# KiCad board WLED Matrix.kicad_pcb (continued)
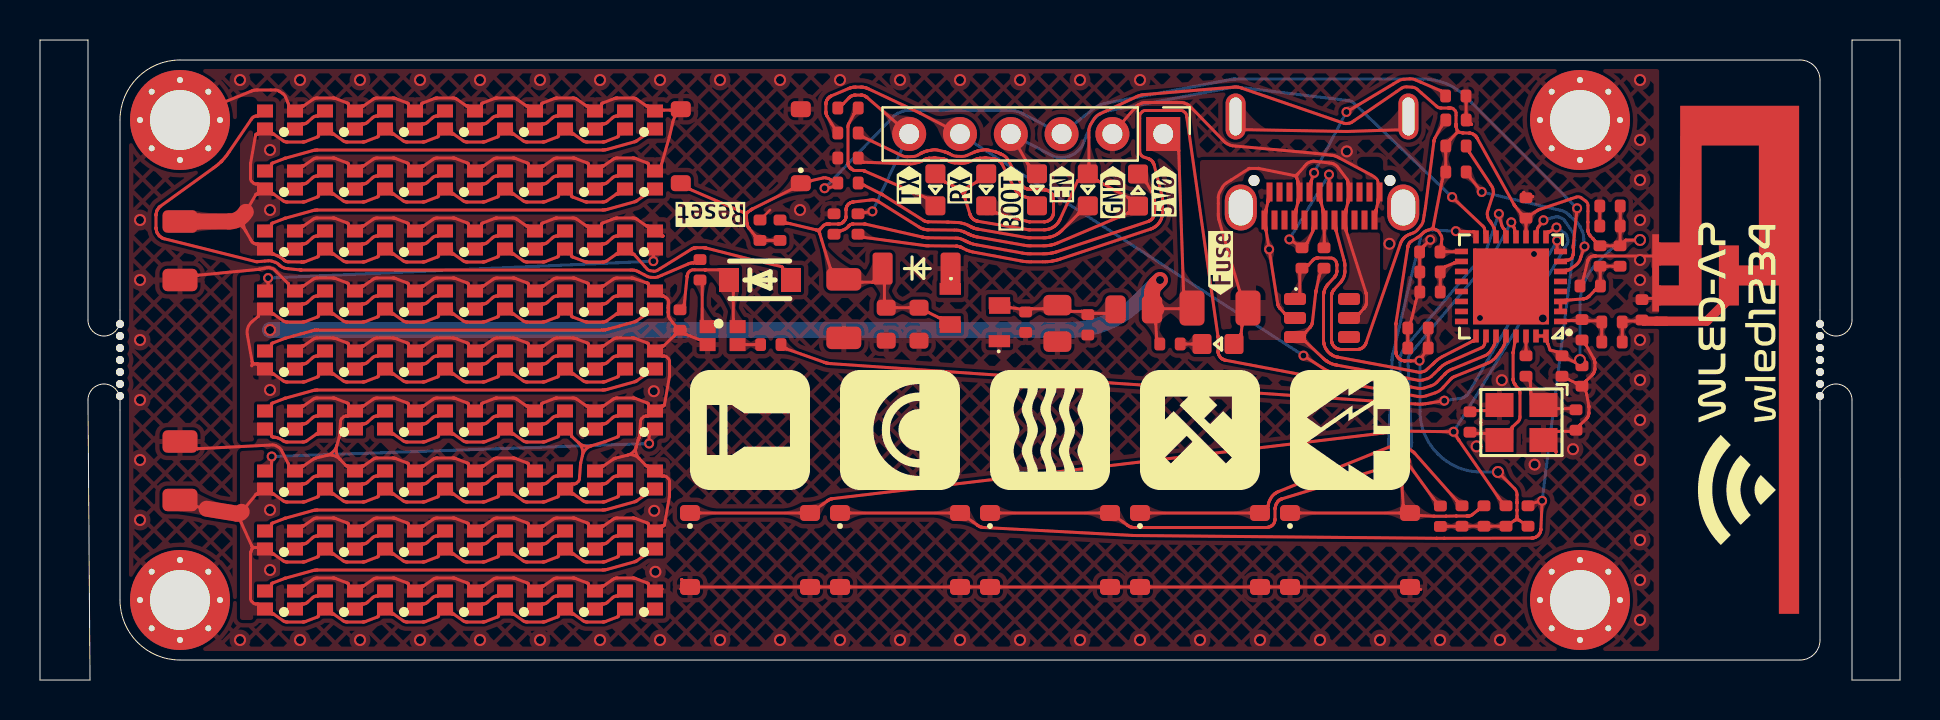
[diagram p0: board, top side]
## Routing (per net, layer and track width the routed paths; a pad name or vN(x,y) marks a point on that pad's centre or on a via; arc(x,y) is an arc through that point) (continued)
 31.42,18.78 31.42,18.78 arc(31.42,18.78) 31.42,18.77 arc(31.42,18.77) 31.42,18.76 31.42,18.75 arc(31.42,18.75) 31.42,18.74 31.42,18.74 arc(31.42,18.74) 31.42,18.73 31.42,18.73 arc(31.42,18.73) 31.42,18.73 arc(31.42,18.73) 31.42,18.73 31.42,18.72 arc(31.42,18.72) 31.42,18.72 31.42,18.66 arc(31.42,18.66) 31.42,18.66 arc(31.42,18.66) 31.41,18.65 31.41,18.65 arc(31.41,18.64) 31.41,18.64 31.42,18.62 arc(31.42,18.61) 31.42,18.61 arc(31.42,18.6) 31.42,18.6 31.41,18.58 arc(31.41,18.58) 31.41,18.57 arc(31.41,18.57) 31.41,18.57 31.41,18.45 arc(31.41,18.45) 31.41,18.45 arc(31.41,18.44) 31.41,18.44 31.42,18.42 arc(31.42,18.42) 31.42,18.41 arc(31.42,18.41) 31.42,18.4 31.41,18.38 arc(31.41,18.38) 31.41,18.38 arc(31.41,18.37) 31.41,18.37 31.42,18.36 arc(31.42,18.36) 31.42,18.36 arc(31.42,18.36) 31.42,18.35 31.43,18.22 arc(31.43,18.2) 31.44,18.17 31.45,18.13 arc(31.46,18.11) 31.47,18.09 31.63,17.88 arc(31.75,17.74) 31.87,17.61 ; 14.84,11.72 14.96,12.14 arc(14.97,12.15) 14.97,12.16 14.97,12.18 arc(14.97,12.18) 14.97,12.19 15.03,12.96 arc(15.05,13.02) 15.08,13.07 15.18,13.16 arc(15.23,13.19) 15.29,13.2 15.39,13.2 arc(15.42,13.21) 15.45,13.22 15.59,13.32 ; 66.94,24.2 66.91,24.04 arc(66.9,24) 66.9,23.96 66.9,23.92 arc(66.9,23.91) 66.9,23.9 66.9,23.88 arc(66.9,23.87) 66.89,23.87 arc(66.89,23.86) 66.89,23.85 66.8,23.49 arc(66.8,23.49) 66.8,23.49 arc(66.8,23.49) 66.8,23.49 66.8,23.48 arc(66.8,23.48) 66.8,23.48 66.8,23.44 arc(66.8,23.4) 66.79,23.36 J2.A1 ; 15.91,13.58 16.05,13.68 arc(16.08,13.69) 16.11,13.7 16.16,13.7 arc(16.16,13.7) 16.17,13.7 16.18,13.71 arc(16.18,13.71) 16.19,13.71 arc(16.19,13.71) 16.2,13.72 16.64,14.03 16.68,14.06 arc(16.71,14.07) 16.73,14.08 16.78,14.09 arc(16.8,14.1) 16.82,14.1 17.66,14.1 arc(17.68,14.1) 17.69,14.1 17.72,14.09 arc(17.74,14.09) 17.75,14.08 18.37,13.85 arc(18.38,13.85) 18.39,13.84 arc(18.4,13.84) 18.41,13.83 18.42,13.81 arc(18.42,13.8) 18.43,13.79 18.43,13.74 arc(18.43,13.7) 18.45,13.68 18.59,13.57 arc(18.75,13.52) 18.91,13.58 19.05,13.68 arc(19.08,13.69) 19.11,13.7 19.16,13.7 arc(19.16,13.7) 19.17,13.7 19.18,13.71 arc(19.18,13.71) 19.19,13.71 arc(19.19,13.71) 19.2,13.72 19.64,14.03 19.68,14.06 arc(19.71,14.07) 19.73,14.08 19.78,14.09 arc(19.8,14.1) 19.82,14.1 20.66,14.1 arc(20.68,14.1) 20.69,14.1 20.72,14.09 arc(20.74,14.09) 20.75,14.08 21.37,13.85 arc(21.38,13.85) 21.39,13.84 arc(21.4,13.84) 21.41,13.83 21.42,13.81 arc(21.42,13.8) 21.43,13.79 21.43,13.74 arc(21.43,13.7) 21.45,13.68 21.59,13.57 arc(21.75,13.52) 21.91,13.57 22.05,13.68 arc(22.07,13.7) 22.08,13.74 22.08,13.79 arc(22.08,13.8) 22.08,13.81 22.09,13.83 arc(22.1,13.84) 22.11,13.84 22.13,13.85 22.75,14.08 arc(22.76,14.09) 22.78,14.09 22.81,14.1 arc(22.82,14.1) 22.84,14.1 23.67,14.1 arc(23.7,14.1) 23.72,14.09 23.77,14.08 arc(23.79,14.07) 23.82,14.06 24.3,13.72 arc(24.31,13.71) 24.31,13.71 arc(24.32,13.71) 24.32,13.71 24.33,13.7 arc(24.34,13.7) 24.34,13.7 24.39,13.7 arc(24.42,13.69) 24.45,13.68 24.59,13.57 arc(24.75,13.52) 24.91,13.58 25.05,13.68 arc(25.07,13.7) 25.08,13.74 25.08,13.79 arc(25.08,13.8) 25.08,13.81 25.09,13.83 arc(25.1,13.84) 25.11,13.84 25.13,13.85 25.75,14.08 arc(25.76,14.09) 25.78,14.09 25.81,14.1 arc(25.82,14.1) 25.84,14.1 26.67,14.1 arc(26.7,14.1) 26.72,14.09 26.77,14.08 arc(26.79,14.07) 26.82,14.06 27.3,13.72 arc(27.31,13.71) 27.31,13.71 arc(27.32,13.71) 27.32,13.71 27.33,13.7 arc(27.34,13.7) 27.34,13.7 27.39,13.7 arc(27.42,13.69) 27.45,13.68 27.59,13.57 arc(27.75,13.52) 27.91,13.58 28.05,13.68 arc(28.08,13.69) 28.11,13.7 28.16,13.7 arc(28.16,13.7) 28.17,13.7 28.18,13.71 arc(28.18,13.71) 28.19,13.71 arc(28.19,13.71) 28.2,13.72 28.64,14.03 28.68,14.06 arc(28.71,14.07) 28.73,14.08 28.78,14.09 arc(28.8,14.1) 28.82,14.1 29.66,14.1 arc(29.68,14.1) 29.69,14.1 29.72,14.09 arc(29.74,14.09) 29.75,14.08 30.37,13.85 arc(30.38,13.85) 30.39,13.84 arc(30.4,13.84) 30.41,13.83 30.42,13.81 arc(30.42,13.8) 30.43,13.79 30.43,13.74 arc(30.43,13.7) 30.45,13.68 30.59,13.57 ; 15.91,13.58 15.59,13.32 ; 30.59,7.57 30.45,7.68 arc(30.43,7.7) 30.43,7.74 30.43,7.79 arc(30.42,7.8) 30.42,7.81 30.41,7.83 arc(30.4,7.84) 30.39,7.84 arc(30.38,7.85) 30.37,7.85 29.75,8.08 arc(29.74,8.09) 29.72,8.09 29.69,8.1 arc(29.68,8.1) 29.66,8.1 28.82,8.1 arc(28.8,8.1) 28.78,8.09 28.73,8.08 arc(28.71,8.07) 28.68,8.06 28.64,8.03 28.2,7.72 arc(28.19,7.71) 28.19,7.71 arc(28.18,7.71) 28.18,7.71 28.17,7.7 arc(28.16,7.7) 28.16,7.7 28.11,7.7 arc(28.08,7.69) 28.05,7.68 27.91,7.58 arc(27.75,7.52) 27.59,7.57 27.45,7.68 arc(27.43,7.7) 27.43,7.74 27.43,7.79 arc(27.42,7.8) 27.42,7.81 27.41,7.83 arc(27.4,7.84) 27.39,7.84 arc(27.38,7.85) 27.37,7.85 26.75,8.08 arc(26.74,8.09) 26.72,8.09 26.69,8.1 arc(26.68,8.1) 26.66,8.1 25.82,8.1 arc(25.8,8.1) 25.78,8.09 25.73,8.08 arc(25.71,8.07) 25.68,8.06 25.64,8.03 25.2,7.72 arc(25.19,7.71) 25.19,7.71 arc(25.18,7.71) 25.18,7.71 25.17,7.7 arc(25.16,7.7) 25.16,7.7 25.11,7.7 arc(25.08,7.69) 25.05,7.68 24.91,7.57 arc(24.75,7.52) 24.59,7.57 24.45,7.68 arc(24.43,7.7) 24.43,7.74 24.43,7.79 arc(24.42,7.8) 24.42,7.81 24.41,7.83 arc(24.4,7.84) 24.39,7.84 arc(24.38,7.85) 24.37,7.85 23.75,8.08 arc(23.74,8.09) 23.72,8.09 23.69,8.1 arc(23.68,8.1) 23.66,8.1 22.82,8.1 arc(22.8,8.1) 22.78,8.09 22.73,8.08 arc(22.71,8.07) 22.68,8.06 22.64,8.03 22.2,7.72 arc(22.19,7.71) 22.19,7.71 arc(22.18,7.71) 22.18,7.71 22.17,7.7 arc(22.16,7.7) 22.16,7.7 22.11,7.7 arc(22.08,7.69) 22.05,7.68 21.91,7.57 arc(21.75,7.52) 21.59,7.57 21.45,7.68 arc(21.43,7.7) 21.43,7.74 21.43,7.79 arc(21.42,7.8) 21.42,7.81 21.41,7.83 arc(21.4,7.84) 21.39,7.84 arc(21.38,7.85) 21.37,7.85 20.75,8.08 arc(20.74,8.09) 20.72,8.09 20.69,8.1 arc(20.68,8.1) 20.66,8.1 19.82,8.1 arc(19.8,8.1) 19.78,8.09 19.73,8.08 arc(19.71,8.07) 19.68,8.06 19.64,8.03 19.2,7.72 arc(19.19,7.71) 19.19,7.71 arc(19.18,7.71) 19.18,7.71 19.17,7.7 arc(19.16,7.7) 19.16,7.7 19.11,7.7 arc(19.08,7.69) 19.05,7.68 18.91,7.57 arc(18.75,7.52) 18.59,7.57 18.45,7.68 arc(18.43,7.7) 18.43,7.74 18.43,7.79 arc(18.42,7.8) 18.42,7.81 18.41,7.83 arc(18.4,7.84) 18.39,7.84 arc(18.38,7.85) 18.37,7.85 17.75,8.08 arc(17.74,8.09) 17.72,8.09 17.69,8.1 arc(17.68,8.1) 17.66,8.1 16.82,8.1 arc(16.8,8.1) 16.78,8.09 16.73,8.08 arc(16.71,8.07) 16.68,8.06 16.64,8.03 16.2,7.72 arc(16.19,7.71) 16.19,7.71 arc(16.18,7.71) 16.18,7.71 16.17,7.7 arc(16.16,7.7) 16.16,7.7 16.11,7.7 arc(16.08,7.69) 16.05,7.68 15.91,7.57 arc(15.75,7.52) 15.59,7.57 15.45,7.68 arc(15.43,7.7) 15.43,7.74 15.43,7.79 arc(15.42,7.8) 15.42,7.81 15.41,7.83 arc(15.4,7.84) 15.39,7.84 arc(15.38,7.85) 15.37,7.85 14.75,8.08 arc(14.74,8.09) 14.72,8.09 14.69,8.1 arc(14.68,8.1) 14.66,8.1 13.82,8.1 arc(13.8,8.1) 13.78,8.09 13.73,8.08 arc(13.71,8.07) 13.68,8.06 13.64,8.03 13.2,7.72 arc(13.19,7.71) 13.19,7.71 arc(13.18,7.71) 13.18,7.71 13.17,7.7 arc(13.16,7.7) 13.16,7.7 13.11,7.7 arc(13.08,7.69) 13.05,7.68 RGB51.3 ; 7,4 6.49,5.86 arc(6.49,5.86) 6.49,5.87 6.49,5.87 ; 30.91,16.33 30.59,16.57 ; 30.91,16.33 arc(30.85,16.45) 30.91,16.58 ; 74.19,24.38 74.19,24.34 arc(74.19,24.31) 74.21,24.27 74.25,24.21 arc(74.32,24.14) 74.41,24.14 74.51,24.16 arc(74.55,24.17) 74.58,24.17 74.62,24.17 arc(74.62,24.17) 74.62,24.17 74.63,24.17 arc(74.63,24.17) 74.63,24.17 arc(74.63,24.17) 74.63,24.17 ; R14.2 71.3,28.99 arc(71.3,28.95) 71.31,28.92 71.31,28.28 arc(71.31,28.25) 71.31,28.21 71.31,28.12 arc(71.33,28.01) 71.41,27.92 71.57,27.79 arc(71.58,27.79) 71.58,27.79 arc(71.58,27.79) 71.58,27.79 71.58,27.79 ; C5.2 77.31,16.74 arc(77.31,16.73) 77.31,16.73 arc(77.31,16.73) 77.31,16.73 77.31,16.73 arc(77.31,16.73) 77.32,16.72 77.7,16.05 arc(77.71,16.03) 77.71,16.02 77.72,16 arc(77.72,15.99) 77.73,15.97 77.74,15.9 arc(77.74,15.89) 77.74,15.88 77.74,15.87 arc(77.75,15.86) 77.75,15.85 77.75,15.57 arc(77.75,15.56) 77.74,15.55 77.74,15.54 arc(77.74,15.53) 77.74,15.52 77.73,15.44 arc(77.72,15.43) 77.72,15.41 77.7,15.38 arc(77.7,15.37) 77.69,15.36 77.66,15.31 arc(77.65,15.3) 77.65,15.29 arc(77.64,15.28) 77.64,15.28 77.62,15.26 arc(77.62,15.26) 77.61,15.25 77.32,14.98 arc(77.32,14.97) 77.32,14.97 77.32,14.97 arc(77.32,14.97) 77.32,14.97 arc(77.32,14.97) 77.32,14.97 arc(77.31,14.96) 77.31,14.96 77.31,14.96 arc(77.31,14.96) 77.31,14.96 77.31,14.96 arc(77.31,14.96) 77.31,14.96 77.21,14.82 ; C58.2 76.41,15.03 arc(76.42,15.03) 76.42,15.03 arc(76.42,15.03) 76.42,15.03 76.42,15.03 arc(76.42,15.03) 76.42,15.03 76.78,14.85 arc(76.78,14.85) 76.78,14.85 76.78,14.85 arc(76.78,14.85) 76.79,14.85 76.95,14.77 ; 76.95,14.77 arc(77.09,14.68) 77.21,14.56 ; 76.95,14.77 arc(77.09,14.75) 77.21,14.82 ; RGB1.3 33.08,17 arc(33.05,17.01) 33.02,17.02 32.98,17.02 arc(32.97,17.02) 32.97,17.02 32.96,17.02 arc(32.96,17.02) 32.96,17.02 arc(32.95,17.03) 32.95,17.03 32.3,17.28 arc(32.3,17.28) 32.3,17.28 arc(32.3,17.28) 32.3,17.28 arc(32.3,17.28) 32.29,17.28 32.15,17.39 ; 75.32,27.04 75.32,27.04 arc(75.33,27.04) 75.33,27.04 77,28 ; 32.71,4.65 32.93,4.65 ; 32.71,4.65 arc(32.5,4.64) 32.29,4.6 ; 32.71,4.65 arc(32.51,4.69) 32.34,4.79 ; 29.81,11.65 arc(29.8,11.35) 29.95,11.08 ; 29.81,11.65 arc(29.65,11.39) 29.38,11.24 ; RGB30.3 13.05,16.68 arc(13.08,16.69) 13.11,16.7 13.16,16.7 arc(13.16,16.7) 13.17,16.7 13.18,16.71 arc(13.18,16.71) 13.19,16.71 arc(13.19,16.71) 13.2,16.72 13.64,17.03 13.68,17.06 arc(13.71,17.07) 13.73,17.08 13.78,17.09 arc(13.8,17.1) 13.82,17.1 14.66,17.1 arc(14.68,17.1) 14.69,17.1 14.72,17.09 arc(14.74,17.09) 14.75,17.08 15.37,16.85 arc(15.38,16.85) 15.39,16.84 arc(15.4,16.84) 15.41,16.83 15.42,16.81 arc(15.42,16.8) 15.43,16.79 15.43,16.74 arc(15.43,16.7) 15.45,16.68 15.59,16.57 arc(15.75,16.52) 15.91,16.58 16.05,16.68 arc(16.08,16.69) 16.11,16.7 16.16,16.7 arc(16.16,16.7) 16.17,16.7 16.18,16.71 arc(16.18,16.71) 16.19,16.71 arc(16.19,16.71) 16.2,16.72 16.64,17.03 16.68,17.06 arc(16.71,17.07) 16.73,17.08 16.78,17.09 arc(16.8,17.1) 16.82,17.1 17.66,17.1 arc(17.68,17.1) 17.69,17.1 17.72,17.09 arc(17.74,17.09) 17.75,17.08 18.37,16.85 arc(18.38,16.85) 18.39,16.84 arc(18.4,16.84) 18.41,16.83 18.42,16.81 arc(18.42,16.8) 18.43,16.79 18.43,16.74 arc(18.43,16.7) 18.45,16.68 18.59,16.57 arc(18.75,16.52) 18.91,16.57 19.05,16.68 arc(19.08,16.69) 19.11,16.7 19.16,16.7 arc(19.16,16.7) 19.17,16.7 19.18,16.71 arc(19.18,16.71) 19.19,16.71 arc(19.19,16.71) 19.2,16.72 19.64,17.03 19.68,17.06 arc(19.71,17.07) 19.73,17.08 19.78,17.09 arc(19.8,17.1) 19.82,17.1 20.66,17.1 arc(20.68,17.1) 20.69,17.1 20.72,17.09 arc(20.74,17.09) 20.75,17.08 21.37,16.85 arc(21.38,16.85) 21.39,16.84 arc(21.4,16.84) 21.41,16.83 21.42,16.81 arc(21.42,16.8) 21.43,16.79 21.43,16.74 arc(21.43,16.7) 21.45,16.68 21.59,16.57 arc(21.75,16.52) 21.91,16.58 22.05,16.68 arc(22.08,16.69) 22.11,16.7 22.16,16.7 arc(22.16,16.7) 22.17,16.7 22.18,16.71 arc(22.18,16.71) 22.19,16.71 arc(22.19,16.71) 22.2,16.72 22.64,17.03 22.68,17.06 arc(22.71,17.07) 22.73,17.08 22.78,17.09 arc(22.8,17.1) 22.82,17.1 23.66,17.1 arc(23.68,17.1) 23.69,17.1 23.72,17.09 arc(23.74,17.09) 23.75,17.08 24.37,16.85 arc(24.38,16.85) 24.39,16.84 arc(24.4,16.84) 24.41,16.83 24.42,16.81 arc(24.42,16.8) 24.43,16.79 24.43,16.74 arc(24.43,16.7) 24.45,16.68 24.59,16.57 arc(24.75,16.52) 24.91,16.57 25.05,16.68 arc(25.08,16.69) 25.11,16.7 25.16,16.7 arc(25.16,16.7) 25.17,16.7 25.18,16.71 arc(25.18,16.71) 25.19,16.71 arc(25.19,16.71) 25.2,16.72 25.64,17.03 25.68,17.06 arc(25.71,17.07) 25.73,17.08 25.78,17.09 arc(25.8,17.1) 25.82,17.1 26.66,17.1 arc(26.68,17.1) 26.69,17.1 26.72,17.09 arc(26.74,17.09) 26.75,17.08 27.37,16.85 arc(27.38,16.85) 27.39,16.84 arc(27.4,16.84) 27.41,16.83 27.42,16.81 arc(27.42,16.8) 27.43,16.79 27.43,16.74 arc(27.43,16.7) 27.45,16.68 27.59,16.57 arc(27.75,16.52) 27.91,16.57 28.05,16.68 arc(28.08,16.69) 28.11,16.7 28.16,16.7 arc(28.16,16.7) 28.17,16.7 28.18,16.71 arc(28.18,16.71) 28.19,16.71 arc(28.19,16.71) 28.2,16.72 28.64,17.03 28.68,17.06 arc(28.71,17.07) 28.73,17.08 28.78,17.09 arc(28.8,17.1) 28.82,17.1 29.66,17.1 arc(29.68,17.1) 29.69,17.1 29.72,17.09 arc(29.74,17.09) 29.75,17.08 30.37,16.85 arc(30.38,16.85) 30.39,16.84 arc(30.4,16.84) 30.41,16.83 30.42,16.81 arc(30.42,16.8) 30.43,16.79 30.43,16.74 arc(30.43,16.7) 30.45,16.68 30.59,16.57 ; 30.59,16.57 arc(30.75,16.52) 30.91,16.58 ; C4.2 80.31,19.07 arc(80.35,19.08) 80.38,19.08 80.82,19.08 ; RGB49.3 28.05,10.68 arc(28.08,10.69) 28.11,10.7 28.16,10.7 arc(28.16,10.7) 28.17,10.7 28.18,10.71 arc(28.18,10.71) 28.19,10.71 arc(28.19,10.71) 28.2,10.72 28.68,11.05 arc(28.69,11.06) 28.7,11.06 28.73,11.08 arc(28.74,11.08) 28.76,11.09 29.38,11.24 ; 32.29,4.6 32.11,4.56 arc(32.07,4.55) 32.04,4.55 ; 32.29,4.6 arc(32.37,4.68) 32.34,4.79 ; 77.21,14.82 arc(77.16,14.69) 77.21,14.56 ; RGB9.3 13.05,25.68 arc(13.08,25.69) 13.11,25.7 13.16,25.7 arc(13.16,25.7) 13.17,25.7 13.18,25.71 arc(13.18,25.71) 13.19,25.71 arc(13.19,25.71) 13.2,25.72 13.64,26.03 13.68,26.06 arc(13.71,26.07) 13.73,26.08 13.78,26.09 arc(13.8,26.1) 13.82,26.1 14.66,26.1 arc(14.68,26.1) 14.69,26.1 14.72,26.09 arc(14.74,26.09) 14.75,26.08 15.37,25.85 arc(15.38,25.85) 15.39,25.84 arc(15.4,25.84) 15.41,25.83 15.42,25.81 arc(15.42,25.8) 15.43,25.79 15.43,25.74 arc(15.43,25.7) 15.45,25.68 15.59,25.57 arc(15.75,25.52) 15.91,25.58 16.05,25.68 arc(16.08,25.69) 16.11,25.7 16.16,25.7 arc(16.16,25.7) 16.17,25.7 16.18,25.71 arc(16.18,25.71) 16.19,25.71 arc(16.19,25.71) 16.2,25.72 16.64,26.03 16.68,26.06 arc(16.71,26.07) 16.73,26.08 16.78,26.09 arc(16.8,26.1) 16.82,26.1 17.66,26.1 arc(17.68,26.1) 17.69,26.1 17.72,26.09 arc(17.74,26.09) 17.75,26.08 18.37,25.85 arc(18.38,25.85) 18.39,25.84 arc(18.4,25.84) 18.41,25.83 18.42,25.81 arc(18.42,25.8) 18.43,25.79 18.43,25.74 arc(18.43,25.7) 18.45,25.68 18.59,25.57 arc(18.75,25.52) 18.91,25.58 19.05,25.68 arc(19.08,25.69) 19.11,25.7 19.16,25.7 arc(19.16,25.7) 19.17,25.7 19.18,25.71 arc(19.18,25.71) 19.19,25.71 arc(19.19,25.71) 19.2,25.72 19.64,26.03 19.68,26.06 arc(19.71,26.07) 19.73,26.08 19.78,26.09 arc(19.8,26.1) 19.82,26.1 20.66,26.1 arc(20.68,26.1) 20.69,26.1 20.72,26.09 arc(20.74,26.09) 20.75,26.08 21.37,25.85 arc(21.38,25.85) 21.39,25.84 arc(21.4,25.84) 21.41,25.83 21.42,25.81 arc(21.42,25.8) 21.43,25.79 21.43,25.74 arc(21.43,25.7) 21.45,25.68 21.59,25.57 arc(21.75,25.52) 21.91,25.58 22.05,25.68 arc(22.08,25.69) 22.11,25.7 22.16,25.7 arc(22.16,25.7) 22.17,25.7 22.18,25.71 arc(22.18,25.71) 22.19,25.71 arc(22.19,25.71) 22.2,25.72 22.64,26.03 22.68,26.06 arc(22.71,26.07) 22.73,26.08 22.78,26.09 arc(22.8,26.1) 22.82,26.1 23.66,26.1 arc(23.68,26.1) 23.69,26.1 23.72,26.09 arc(23.74,26.09) 23.75,26.08 24.37,25.85 arc(24.38,25.85) 24.39,25.84 arc(24.4,25.84) 24.41,25.83 24.42,25.81 arc(24.42,25.8) 24.43,25.79 24.43,25.74 arc(24.43,25.7) 24.45,25.68 24.59,25.57 arc(24.75,25.52) 24.91,25.57 25.05,25.68 arc(25.08,25.69) 25.11,25.7 25.16,25.7 arc(25.16,25.7) 25.17,25.7 25.18,25.71 arc(25.18,25.71) 25.19,25.71 arc(25.19,25.71) 25.2,25.72 25.64,26.03 25.68,26.06 arc(25.71,26.07) 25.73,26.08 25.78,26.09 arc(25.8,26.1) 25.82,26.1 26.66,26.1 arc(26.68,26.1) 26.69,26.1 26.72,26.09 arc(26.74,26.09) 26.75,26.08 27.37,25.85 arc(27.38,25.85) 27.39,25.84 arc(27.4,25.84) 27.41,25.83 27.42,25.81 arc(27.42,25.8) 27.43,25.79 27.43,25.74 arc(27.43,25.7) 27.45,25.68 27.59,25.57 arc(27.75,25.52) 27.91,25.58 28.05,25.68 arc(28.08,25.69) 28.11,25.7 28.16,25.7 arc(28.16,25.7) 28.17,25.7 28.18,25.71 arc(28.18,25.71) 28.19,25.71 arc(28.19,25.71) 28.2,25.72 28.64,26.03 28.68,26.06 arc(28.71,26.07) 28.73,26.08 28.78,26.09 arc(28.8,26.1) 28.82,26.1 29.66,26.1 arc(29.68,26.1) 29.69,26.1 29.72,26.09 arc(29.74,26.09) 29.75,26.08 30.37,25.85 arc(30.38,25.85) 30.39,25.84 arc(30.4,25.84) 30.41,25.83 30.42,25.81 arc(30.42,25.8) 30.43,25.79 30.43,25.74 arc(30.43,25.7) 30.45,25.68 30.59,25.57 arc(30.75,25.52) 30.91,25.57 31.05,25.68 arc(31.07,25.7) 31.08,25.74 31.08,25.78 arc(31.08,25.78) 31.08,25.78 31.08,25.79 arc(31.08,25.79) 31.08,25.79 arc(31.08,25.8) 31.08,25.8 31.46,27.13 arc(31.46,27.14) 31.46,27.14 arc(31.47,27.15) 31.47,27.16 31.64,27.89 arc(31.73,28.13) 31.87,28.34 31.9,28.38 ; 32.34,4.79 32.09,5.01 arc(32.09,5.01) 32.09,5.01 arc(32.09,5.02) 32.09,5.02 32.09,5.02 arc(32.09,5.02) 32.08,5.03 ; U3.33 71.77,21.5 ; 32.15,17.39 arc(32,17.49) 31.87,17.61 ; 74.98,4.52 75.02,4.52 arc(75.03,4.52) 75.05,4.52 75.09,4.52 arc(75.1,4.52) 75.12,4.51 75.15,4.5 76.15,4.23 arc(76.64,4.36) 76.77,4.85 76.5,5.85 76.49,5.87 arc(76.49,5.88) 76.49,5.89 76.48,5.91 arc(76.48,5.92) 76.48,5.93 76.48,5.94 ; 29.38,11.24 arc(29.69,11.24) 29.95,11.08 ; v2(69.51,22.01) 69.19,21.7 arc(69.19,21.7) 69.19,21.7 69.19,21.7 arc(69.19,21.7) 69.19,21.7 arc(69.19,21.7) 69.19,21.69 69.05,21.5 arc(69,21.39) 68.98,21.28 68.98,21.19 arc(68.98,21.15) 68.98,21.12 68.98,20.68 arc(68.99,20.65) 68.99,20.61 68.99,20.52 arc(68.99,20.4) 68.99,20.28 68.99,19.52 arc(68.98,19.4) 68.93,19.29 68.91,19.24 arc(68.84,19.08) 68.79,18.91 68.59,18.09 arc(68.54,17.92) 68.47,17.76 68.45,17.71 arc(68.4,17.6) 68.39,17.48 C51.2 ; J1.2 54.71,28.56 54.81,28.68 arc(54.87,28.74) 54.94,28.78 55.08,28.84 arc(55.15,28.87) 55.23,28.88 57.08,28.88 arc(57.16,28.87) 57.22,28.85 57.36,28.79 arc(57.42,28.75) 57.48,28.71 57.58,28.6 59.24,26.9 arc(59.3,26.85) 59.36,26.81 59.49,26.75 arc(59.56,26.72) 59.63,26.71 59.78,26.7 63.78,26.33 arc(63.79,26.33) 63.81,26.33 arc(63.82,26.33) 63.83,26.33 64.52,26.25 64.61,26.24 arc(64.65,26.23) 64.7,26.22 64.79,26.19 arc(64.83,26.17) 64.87,26.16 64.95,26.11 66.58,25.24 arc(66.65,25.19) 66.72,25.14 ; 77.21,14.56 arc(77.29,14.42) 77.34,14.26 77.44,13.71 arc(77.44,13.7) 77.44,13.7 arc(77.44,13.69) 77.44,13.68 77.44,13.67 arc(77.45,13.66) 77.45,13.65 77.45,13.37 arc(77.45,13.36) 77.44,13.35 77.44,13.34 arc(77.44,13.33) 77.44,13.32 77.43,13.24 arc(77.42,13.23) 77.42,13.21 77.4,13.18 arc(77.4,13.17) 77.39,13.16 77.36,13.11 arc(77.35,13.1) 77.35,13.09 arc(77.34,13.08) 77.34,13.08 77.32,13.06 arc(77.32,13.06) 77.31,13.05 77.02,12.78 arc(77.02,12.77) 77.02,12.77 77.02,12.77 arc(77.02,12.77) 77.02,12.77 arc(77.02,12.77) 77.02,12.77 arc(77.01,12.76) 77.01,12.76 77.01,12.76 arc(77.01,12.76) 77.01,12.76 77.01,12.76 arc(77.01,12.76) 77.01,12.76 76.88,12.59 arc(76.79,12.51) 76.68,12.46 76.59,12.44 arc(76.55,12.43) 76.52,12.43 75.84,12.43 arc(75.8,12.42) 75.77,12.41 75.49,12.21 arc(75.36,11.99) 75.46,11.75 75.77,11.5 arc(75.79,11.47) 75.8,11.44 75.8,11.4 arc(75.8,11.4) 75.8,11.39 arc(75.8,11.39) 75.8,11.38
  Bottom w0.15: 7.53,25.98 7.53,26.02 arc(7.52,26.03) 7.52,26.05 7.52,26.09 arc(7.52,26.1) 7.51,26.12 7.5,26.15 7,28 ; 78,4 79,4 ; 78,4 arc(77.29,3.71) 77,3 ; 78,4 arc(77.57,4.21) 77.57,4.57 ; 77,3 77,2 ; 77,3 arc(77.15,3.89) 77.57,4.57 ; 77.57,4.57 78.41,5.41 ; 7,4 7.5,5.85 7.51,5.88 arc(7.52,5.9) 7.52,5.91 7.52,5.95 arc(7.52,5.97) 7.53,5.98 7.53,6.02
  vias: v1(5,23) v1(5,20) v1(5,17) v1(5,14) v1(5,11) v1(5,8) v1(10,30) v1(10,2) v1(13,30) v1(13,2) v1(16,30) v1(16,2) v1(19,30) v1(19,2) v1(22,30) v1(22,2) v1(25,30) v1(25,2) v1(28,30) v1(28,2) v1(30.69,14.44) v1(30.71,8.46) v1(30.77,5.41) v1(31,30) v1(31,2) v1(34,30) v1(34,2) v1(37,30) v1(37,2) v1(38,23.5) v1(40,30) v1(40,2) v1(43,30) v1(43,2) v1(46,30) v1(46,2) v1(49,30) v1(49,2) v1(52,30) v1(52,2) v1(55,30) v1(55,2) v1(58,2) v1(61,2) v1(64,2) v1(65.34,26.43) v1(67,2) v1(67.47,21.81) v1(70,2) v1(71.83,11.68) v1(73,2) v1(73.09,14.99) v1(74.73,10.77) v1(75.14,18.08) v1(76.65,11.54) v1(80,30) v1(80,27) v1(80,25) v1(80,23) v1(80,21) v1(80,20) v1(80,17) v1(80,15) v1(80,13) v1(80,11) v1(80,9) v1(80,7) v1(80,5) v1(80,3) v2(72,18.1) v2(74.7,21.3)
VBUS: length 25.7
  Top w0.15: LED1.2 60.05,17.29 arc(60.05,17.29) 60.05,17.3 arc(60.05,17.3) 60.05,17.3 60.1,17.71 arc(60.1,17.72) 60.1,17.72 arc(60.1,17.72) 60.1,17.73 60.1,17.76 arc(60.1,17.8) 60.11,17.83 60.25,18.2 arc(60.31,18.6) 60.21,18.98 59.98,19.47 arc(59.98,19.47) 59.98,19.47 arc(59.98,19.47) 59.98,19.47 arc(59.98,19.47) 59.98,19.47 58.97,22.92 58.95,23 arc(58.94,23.04) 58.93,23.08 58.92,23.16 arc(58.92,23.2) 58.91,23.23 58.91,24.12 arc(58.93,24.26) 58.98,24.39 59.12,24.64 arc(59.2,24.75) 59.31,24.84 59.55,25 60.44,25.56 arc(60.44,25.57) 60.44,25.57 arc(60.45,25.57) 60.45,25.57 60.46,25.58 arc(60.47,25.58) 60.48,25.58 60.92,25.58 arc(60.92,25.58) 60.92,25.58 60.93,25.58 arc(60.93,25.58) 60.93,25.58 arc(60.93,25.58) 60.94,25.58 62.68,25.23 ; 62.68,25.23 arc(62.78,25.18) 62.84,25.08 ; 62.68,25.23 arc(62.79,25.24) 62.89,25.3 ; 62.84,25.08 62.89,24.95 arc(62.89,24.94) 62.89,24.93 62.9,24.91 arc(62.9,24.9) 62.9,24.89 62.9,24.84 arc(62.9,24.8) 62.91,24.76 62.94,24.6 arc(62.96,24.4) 62.94,24.2 62.91,24.04 arc(62.9,24) 62.9,23.96 62.9,23.91 arc(62.9,23.91) 62.9,23.9 62.9,23.88 arc(62.9,23.87) 62.89,23.86 arc(62.89,23.85) 62.89,23.85 62.81,23.55 arc(62.81,23.54) 62.81,23.54 arc(62.81,23.53) 62.8,23.52 62.8,23.5 arc(62.8,23.49) 62.8,23.48 62.8,23.44 arc(62.8,23.4) 62.79,23.36 J2.A9 ; 62.84,25.08 arc(62.84,25.2) 62.89,25.3 ; 62.89,25.3 63.23,25.69 63.32,25.79 arc(63.37,25.84) 63.43,25.87 63.56,25.92 arc(63.63,25.94) 63.7,25.94 64.46,25.85 64.58,25.84 arc(64.63,25.83) 64.69,25.8 64.79,25.74 arc(64.84,25.71) 64.88,25.67 64.95,25.57 65.36,25.02 arc(65.37,25) 65.38,24.98 65.39,24.94 arc(65.4,24.92) 65.4,24.9 65.4,24.84 arc(65.4,24.8) 65.41,24.76 65.44,24.6 arc(65.46,24.4) 65.44,24.2 65.41,24.04 arc(65.4,24) 65.4,23.96 65.4,23.91 arc(65.4,23.91) 65.4,23.9 65.4,23.88 arc(65.4,23.87) 65.39,23.86 arc(65.39,23.85) 65.39,23.85 65.31,23.55 arc(65.31,23.54) 65.31,23.54 arc(65.3,23.53) 65.3,23.52 65.3,23.5 arc(65.3,23.49) 65.3,23.48 65.3,23.44 arc(65.3,23.4) 65.29,23.36 65.26,23.2 arc(65.24,23) 65.26,22.8 65.29,22.64 arc(65.3,22.6) 65.3,22.56 65.3,22.51 arc(65.3,22.5) 65.3,22.49 65.31,22.47 arc(65.31,22.46) 65.31,22.45 arc(65.31,22.44) 65.32,22.43 66.3,19.36 arc(66.3,19.36) 66.3,19.35 arc(66.3,19.35) 66.3,19.34 66.3,19.33 arc(66.31,19.33) 66.31,19.33 arc(66.31,19.32) 66.31,19.32 66.32,19.27 arc(66.32,19.26) 66.32,19.26 arc(66.32,19.25) 66.32,19.24 66.32,19.22 arc(66.33,19.22) 66.33,19.21 66.33,18.89 arc(66.33,18.88) 66.32,18.88 66.32,18.86 arc(66.32,18.85) 66.32,18.84 arc(66.32,18.84) 66.32,18.83 66.3,18.76 arc(66.3,18.75) 66.3,18.73 66.28,18.7 arc(66.28,18.69) 66.27,18.68 66.22,18.61 arc(66.22,18.6) 66.22,18.6 66.21,18.59 arc(66.2,18.58) 66.2,18.58 arc(66.2,18.57) 66.19,18.57 65.98,18.34 arc(65.98,18.34) 65.98,18.33 65.97,18.33 arc(65.97,18.33) 65.97,18.33 arc(65.97,18.33) 65.97,18.33 ESD1.5
/Antenna: length 3.1
  Top w0.15: U3.1 76.24,17.97 arc(76.28,17.97) 76.32,17.97 76.82,17.97 arc(76.85,17.98) 76.89,17.98 76.98,18 arc(77.1,18.01) 77.22,17.99 77.31,17.97 arc(77.35,17.96) 77.38,17.96 77.86,17.96 arc(77.89,17.96) 77.93,17.95 77.99,17.93 arc(78.06,17.88) 78.09,17.8 L3.2
/BOOT_IO9: length 30.7
  Top w0.15: J1.4 49.42,25.76 arc(49.42,25.76) 49.42,25.76 LED7.2 ; U3.15 72.24,22.37 arc(72.24,22.41) 72.24,22.44 72.24,22.51 arc(72.23,22.54) 72.22,22.57 72.2,22.62 arc(72.18,22.65) 72.16,22.67 72.12,22.72 v2(70.61,24.15)
  Bottom w0.15: v2(70.61,24.15) 65.75,28.78 65.69,28.85 arc(65.65,28.88) 65.61,28.9 65.53,28.94 arc(65.48,28.96) 65.44,28.97 65.35,28.98 59.91,29.64 59.85,29.65 arc(59.82,29.65) 59.78,29.65 59.72,29.65 arc(59.69,29.65) 59.66,29.64 53.55,28.48 53.25,28.43 arc(53.12,28.38) 52.99,28.3 52.76,28.12 arc(52.66,28.01) 52.59,27.88 52.21,26.97 52.12,26.74 arc(52.06,26.63) 51.98,26.54 51.89,26.45 arc(51.7,26.3) 51.48,26.2 arc(51.25,26.14) 51,26.13 50.88,26.14 arc(50.76,26.16) 50.65,26.2 50.43,26.32 J1.4
/CC1: length 20.6
  Top w0.15: R13.1 70.08,27.71 arc(70.08,27.7) 70.08,27.7 arc(70.08,27.7) 70.08,27.7 69.75,27.1 69.74,27.08 arc(69.73,27.07) 69.73,27.06 69.72,27.04 arc(69.72,27.03) 69.71,27.01 arc(69.71,27) 69.71,26.99 69.71,26.98 arc(69.71,26.98) 69.71,26.97 arc(69.71,26.97) 69.71,26.97 69.7,26.96 arc(69.7,26.95) 69.7,26.94 arc(69.7,26.93) 69.7,26.92 69.28,23.68 arc(69.28,23.66) 69.27,23.64 arc(69.27,23.62) 69.27,23.6 69.16,22.97 arc(69.13,22.84) 69.06,22.73 68.88,22.51 arc(68.79,22.42) 68.67,22.36 68.41,22.26 arc(68.38,22.24) 68.34,22.22 68.27,22.17 arc(68.24,22.14) 68.21,22.11 68.19,22.09 arc(68.18,22.08) 68.17,22.07 arc(68.17,22.07) 68.16,22.06 68.14,22.04 arc(68.12,22.01) 68.1,21.98 68.07,21.92 arc(68.05,21.89) 68.04,21.86 68.01,21.79 66.3,16.85 66.29,16.83 arc(66.29,16.82) 66.28,16.81 66.28,16.79 arc(66.27,16.78) 66.27,16.77 66.22,16.7 arc(66.21,16.69) 66.2,16.68 66.17,16.65 arc(66.16,16.64) 66.15,16.63 66.07,16.58 arc(66.06,16.57) 66.05,16.57 66.02,16.55 arc(66,16.55) 65.99,16.55 65.92,16.53 arc(65.91,16.53) 65.91,16.53 arc(65.9,16.53) 65.89,16.53 65.87,16.53 arc(65.87,16.52) 65.86,16.52 65.04,16.52 arc(65.03,16.52) 65.03,16.53 65.01,16.53 arc(65,16.53) 64.99,16.53 arc(64.99,16.53) 64.98,16.53 64.91,16.55 arc(64.9,16.55) 64.88,16.55 64.85,16.57 arc(64.84,16.57) 64.83,16.58 64.79,16.61 arc(64.79,16.61) 64.79,16.61 64.75,16.63 arc(64.74,16.64) 64.72,16.65 64.7,16.68 arc(64.69,16.69) 64.68,16.7 64.63,16.78 arc(64.62,16.79) 64.62,16.8 64.6,16.83 arc(64.6,16.85) 64.6,16.86 64.59,16.91 arc(64.59,16.91) 64.59,16.91 64.58,16.94 arc(64.58,16.95) 64.58,16.96 64.58,16.98 arc(64.57,16.98) 64.57,16.99 64.57,19.21 arc(64.57,19.22) 64.58,19.22 64.58,19.24 arc(64.58,19.25) 64.58,19.26 64.59,19.29 arc(64.59,19.29) 64.59,19.29 64.6,19.34 arc(64.6,19.35) 64.6,19.37 64.62,19.4 arc(64.62,19.41) 64.63,19.42 64.66,19.46 arc(64.66,19.46) 64.66,19.46 64.67,19.48 arc(64.67,19.49) 64.68,19.49 arc(64.68,19.5) 64.68,19.5 64.69,19.51 arc(64.69,19.52) 64.7,19.52 65.03,19.88 arc(65.04,19.89) 65.04,19.9 65.06,19.92 arc(65.07,19.93) 65.08,19.94 65.13,20.03 arc(65.15,20.06) 65.17,20.09 65.19,20.16 arc(65.21,20.19) 65.21,20.23 65.24,20.33 arc(65.24,20.35) 65.24,20.37 65.24,20.4 arc(65.25,20.42) 65.25,20.44 65.25,20.74 arc(65.25,20.76) 65.24,20.78 65.24,20.81 arc(65.24,20.83) 65.24,20.85 arc(65.23,20.87) 65.23,20.88 65.23,20.89 arc(65.22,20.92) 65.22,20.94 arc(65.21,20.97) 65.2,20.99 64.81,22.46 arc(64.81,22.47) 64.8,22.48 64.8,22.5 arc(64.8,22.51) 64.8,22.52 64.8,22.56 arc(64.8,22.6) 64.79,22.64 J2.A5
/CC2: length 10.1
  Top w0.15: J2.B5 63.54,24.76 arc(63.55,24.8) 63.55,24.84 63.55,24.89 arc(63.55,24.9) 63.55,24.91 63.56,24.93 arc(63.56,24.94) 63.56,24.95 v2(63.71,25.36) ; v2(65.32,28.4) 67.66,29.8 67.92,29.95 arc(68.05,30.01) 68.19,30.04 68.49,30.06 arc(68.63,30.05) 68.77,30.01 69.04,29.89 70.03,29.46 arc(70.03,29.46) 70.03,29.46 arc(70.03,29.46) 70.03,29.46 arc(70.03,29.46) 70.04,29.46 R14.1
  Bottom w0.15: v2(63.71,25.36) v2(65.32,28.4)
/D+: length 14.7
  Top w0.15: R3.2 64.09,20.46 arc(64.01,20.32) 63.95,20.16 63.81,19.49 arc(63.81,19.48) 63.81,19.47 63.8,19.45 arc(63.8,19.45) 63.8,19.45 arc(63.8,19.45) 63.8,19.45 63.79,19.41 arc(63.79,19.4) 63.79,19.38 63.79,19.36 arc(63.78,19.35) 63.78,19.34 63.78,19.31 63.62,17.92 arc(63.62,17.91) 63.62,17.91 arc(63.62,17.91) 63.62,17.9 63.62,17.9 arc(63.62,17.89) 63.62,17.89 arc(63.62,17.89) 63.62,17.88 63.6,17.81 arc(63.6,17.8) 63.6,17.78 63.58,17.75 arc(63.58,17.74) 63.57,17.73 63.52,17.66 arc(63.52,17.65) 63.52,17.65 63.51,17.64 arc(63.5,17.63) 63.5,17.63 arc(63.5,17.62) 63.49,17.62 63.28,17.39 arc(63.28,17.39) 63.28,17.38 63.27,17.38 arc(63.27,17.38) 63.27,17.38 arc(63.27,17.38) 63.27,17.38 63.01,17.27 arc(62.94,17.15) 63.01,17.03 63.27,16.92 arc(63.27,16.92) 63.27,16.92 arc(63.27,16.92) 63.27,16.92 63.28,16.92 arc(63.28,16.91) 63.28,16.91 64.19,16.06 arc(64.21,16.04) 64.23,16.03 64.26,16 arc(64.28,15.98) 64.3,15.97 64.34,15.94 arc(64.34,15.94) 64.34,15.94 arc(64.34,15.94) 64.35,15.94 64.41,15.89 arc(64.46,15.87) 64.51,15.84 64.61,15.8 arc(64.66,15.78) 64.72,15.77 64.82,15.75 arc(64.83,15.75) 64.84,15.74 arc(64.84,15.74) 64.85,15.74 68.68,15.03 68.91,14.99 arc(69.03,14.98) 69.14,15 69.37,15.07 arc(69.48,15.11) 69.57,15.18 69.74,15.35 69.92,15.52 arc(69.93,15.54) 69.95,15.55 69.95,15.56 arc(69.96,15.56) 69.97,15.57 70.02,15.63 arc(70.07,15.67) 70.12,15.71 70.23,15.79 arc(70.28,15.82) 70.34,15.85 70.46,15.9 72.02,16.59 72.1,16.62 arc(72.14,16.64) 72.16,16.68 72.21,16.75 arc(72.23,16.79) 72.24,16.83 72.24,16.91 arc(72.24,16.95) 72.24,16.99 U3.26
/D-: length 16.6
  Top w0.15: U3.25 71.74,16.99 arc(71.73,16.96) 71.7,16.95 71.66,16.95 arc(71.65,16.95) 71.65,16.95 71.64,16.95 arc(71.63,16.95) 71.63,16.94 arc(71.63,16.94) 71.62,16.94 70.22,16.22 70.09,16.15 arc(70.03,16.12) 69.97,16.08 69.85,15.99 arc(69.8,15.95) 69.75,15.9 69.7,15.86 arc(69.7,15.85) 69.69,15.84 arc(69.68,15.83) 69.68,15.83 69.67,15.82 arc(69.65,15.8) 69.63,15.78 69.41,15.59 69.31,15.5 arc(69.26,15.46) 69.2,15.43 69.07,15.4 arc(69,15.38) 68.94,15.39 68.8,15.41 64.92,16.14 arc(64.92,16.14) 64.91,16.14 arc(64.91,16.14) 64.9,16.14 64.82,16.16 arc(64.78,16.17) 64.75,16.18 64.68,16.2 arc(64.65,16.22) 64.62,16.24 64.57,16.27 arc(64.57,16.27) 64.56,16.27 64.51,16.31 arc(64.48,16.33) 64.46,16.36 64.41,16.41 arc(64.38,16.43) 64.36,16.46 64.29,16.57 arc(64.27,16.6) 64.25,16.63 64.23,16.7 arc(64.22,16.73) 64.21,16.76 64.19,16.83 arc(64.19,16.83) 64.19,16.83 arc(64.19,16.83) 64.19,16.83 64.18,16.88 arc(64.18,16.89) 64.18,16.91 64.18,16.95 arc(64.17,16.96) 64.17,16.98 64.17,19.22 arc(64.17,19.24) 64.18,19.25 64.18,19.29 arc(64.18,19.31) 64.18,19.32 64.19,19.37 arc(64.19,19.37) 64.19,19.37 arc(64.19,19.37) 64.19,19.37 64.21,19.44 arc(64.22,19.47) 64.23,19.5 64.25,19.57 arc(64.27,19.6) 64.29,19.63 64.32,19.68 arc(64.32,19.68) 64.32,19.69 64.35,19.72 arc(64.36,19.73) 64.36,19.74 64.38,19.76 arc(64.39,19.77) 64.4,19.78 64.73,20.15 arc(64.73,20.15) 64.73,20.15 64.74,20.16 arc(64.74,20.17) 64.75,20.17 arc(64.75,20.18) 64.75,20.18 64.79,20.24 arc(64.8,20.25) 64.8,20.26 64.82,20.29 arc(64.82,20.31) 64.83,20.32 64.84,20.4 arc(64.84,20.41) 64.84,20.42 64.84,20.43 arc(64.85,20.44) 64.85,20.45 64.85,20.73 arc(64.85,20.74) 64.84,20.75 64.84,20.77 arc(64.84,20.77) 64.84,20.78 arc(64.84,20.79) 64.84,20.8 64.84,20.8 arc(64.83,20.81) 64.83,20.83 arc(64.83,20.84) 64.83,20.85 64.81,20.91 arc(64.79,20.96) 64.75,21 64.66,21.07 arc(64.62,21.09) 64.57,21.1 63.92,21.11 arc(63.91,21.11) 63.9,21.11 arc(63.89,21.11) 63.88,21.1 63.87,21.1 arc(63.86,21.1) 63.85,21.1 arc(63.84,21.1) 63.83,21.1 63.8,21.09 arc(63.77,21.08) 63.75,21.07 63.71,21.05 arc(63.69,21.03) 63.67,21.02 63.44,20.77 arc(63.43,20.76) 63.43,20.76 63.43,20.76 arc(63.43,20.76) 63.43,20.76 63.42,20.75 arc(63.42,20.75) 63.42,20.75 arc(63.42,20.75) 63.41,20.75 63.2,20.64 arc(63.11,20.58) 63.05,20.49 63.01,20.43 arc(62.99,20.39) 62.99,20.36 62.99,19.31 arc(62.98,19.28) 62.96,19.25 ESD1.1
